# Altium PCB iono_bottom_pico.PcbDoc
Units mil, origin at the board's own origin, x right, y up, seen from the top; angles counter-clockwise.
Board outline 3937.01 x 1975 mil, 4 copper layers (Top Layer, GND, POW, Bottom Layer), stack 13.956 mil thick; 81 components, 60 nets, 221 pads, 68 vias.
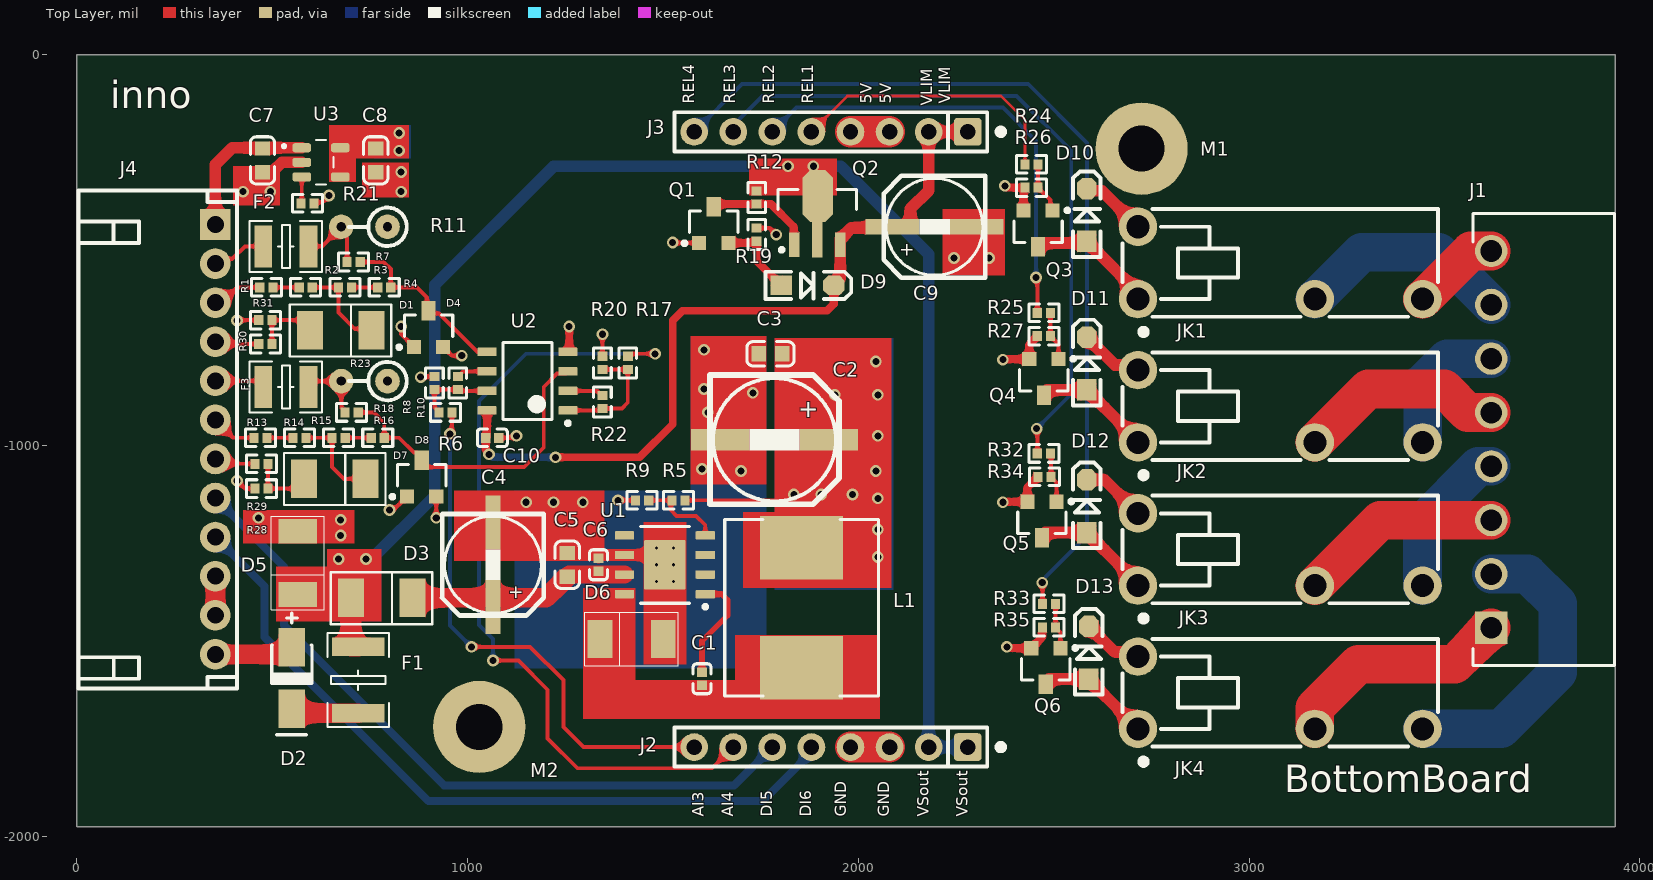
[diagram p0: Top Layer view]
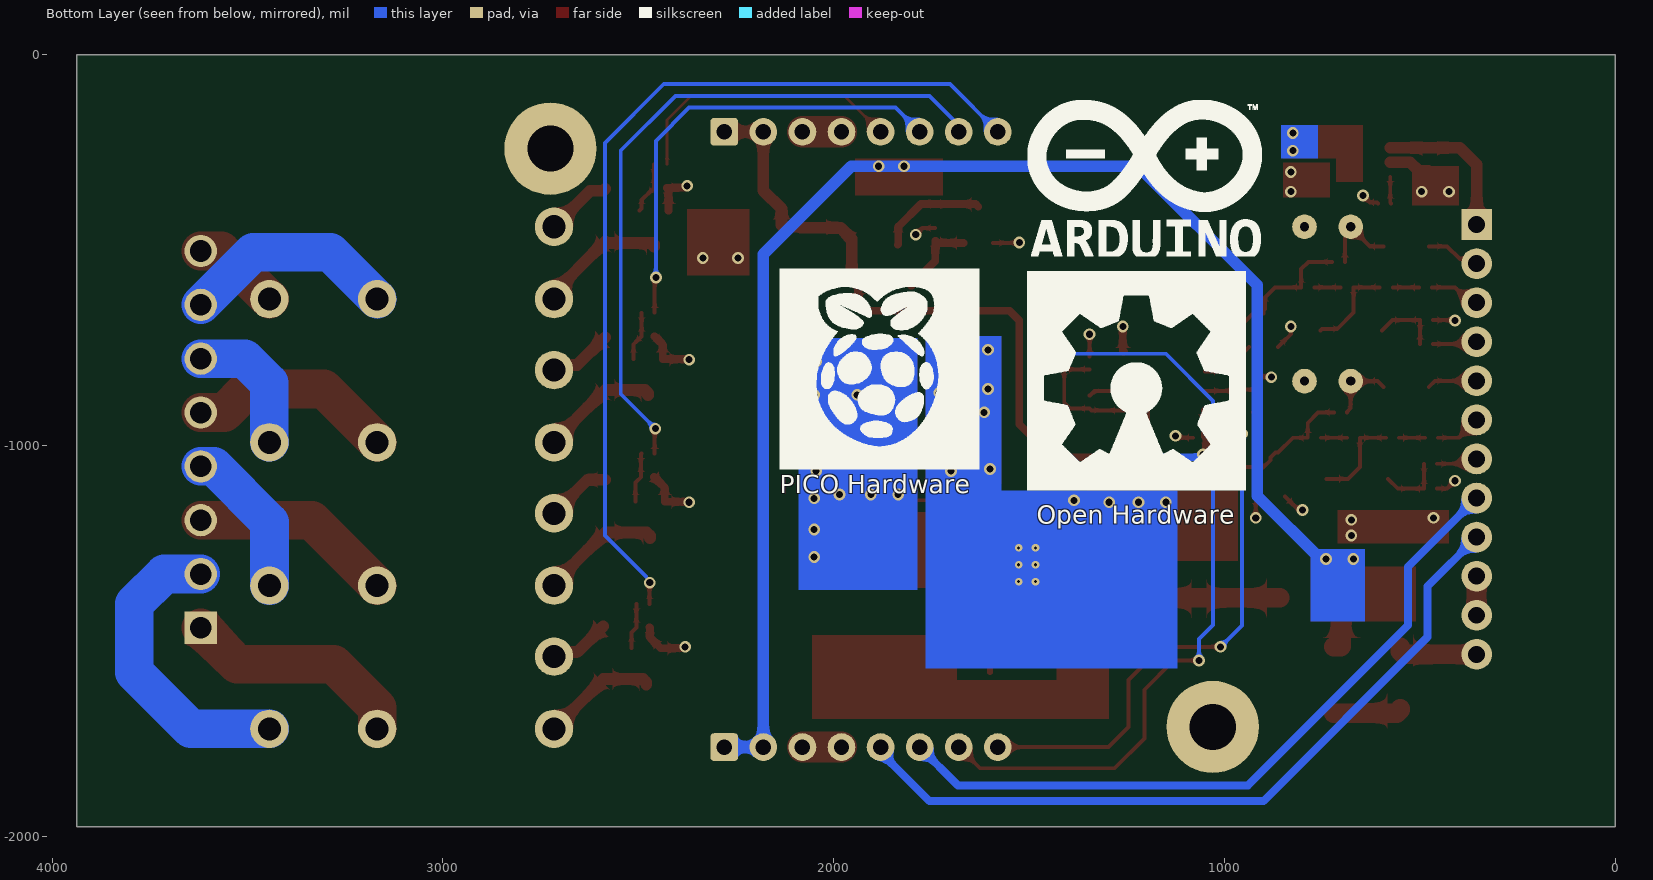
[diagram p1: Bottom Layer view, seen from below]
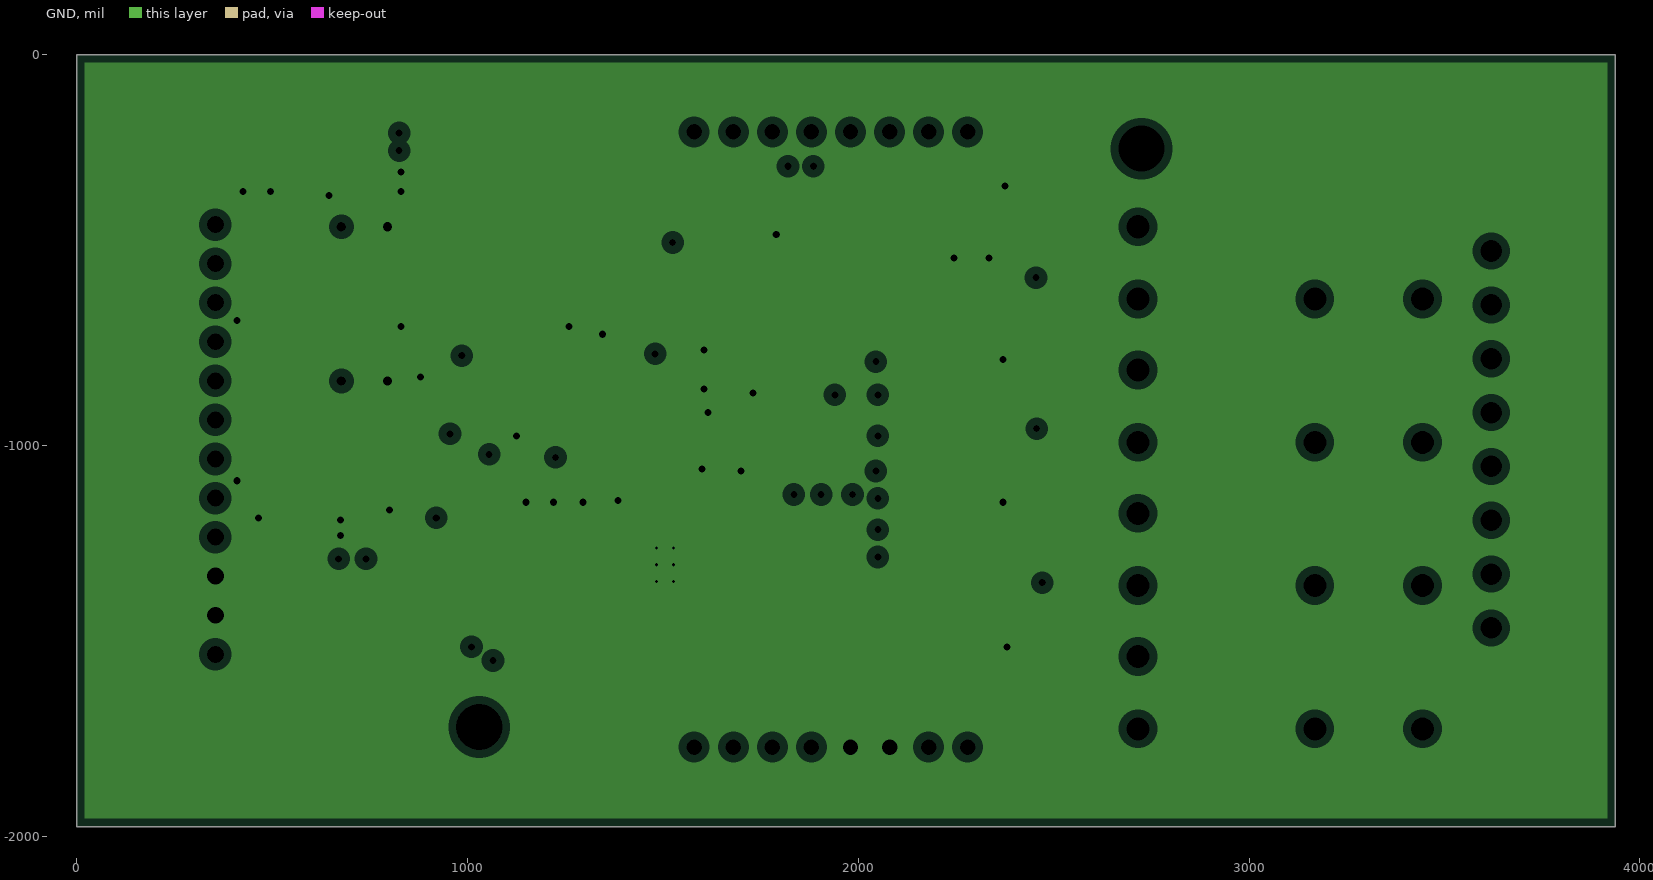
[diagram p2: GND, clearances drawn from the general rule]
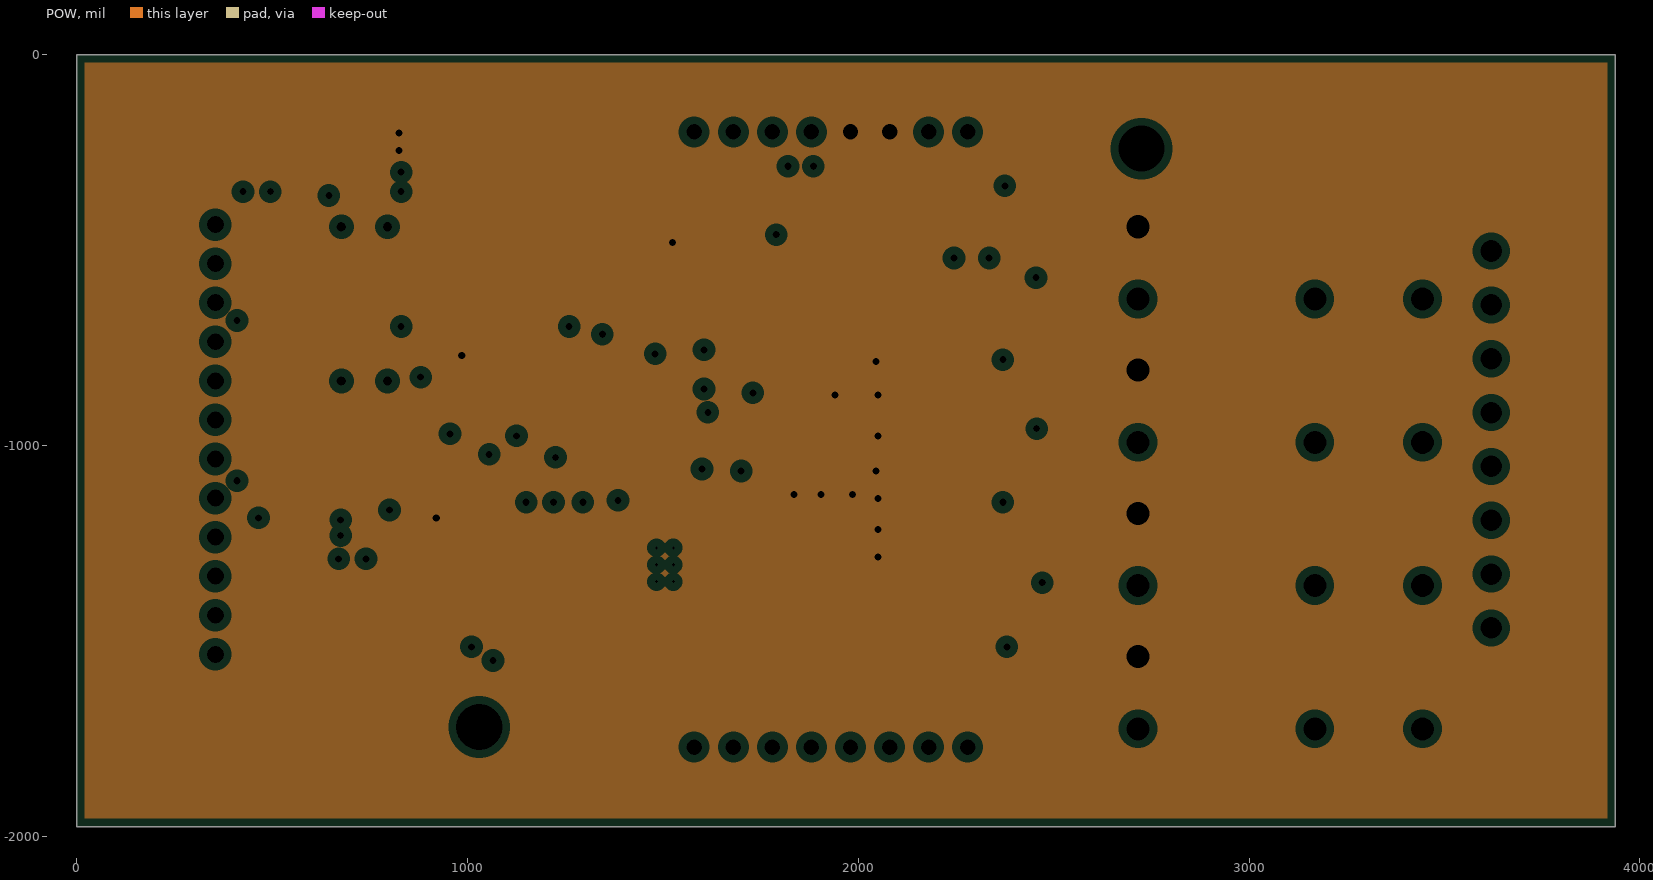
[diagram p3: POW, clearances drawn from the general rule]

## Layer stack, top to bottom
Top Solder: solder mask 0.4, Solder Resist, Dk 3.5
Top Layer: signal copper 1.4
Dielectric 4: prepreg 2.8, PP-006, Dk 4.1
GND: plane copper 1.3779, net GND
Dielectric 1: prepreg 2.8, PP-006, Dk 4.1
POW: plane copper 1.3779, net 5V
Dielectric 5: prepreg 2.8, PP-006, Dk 4.1
Bottom Layer: signal copper 1.4
Bottom Solder: solder mask 0.4, Solder Resist, Dk 3.5

## Board outline
0,-1975 0,0 3937.01,0 3937.01,-1975

## Design rules (kind name [scope] priority, off if disabled: settings)
BoardOutlineClearance [All] p1: gap=15 ignorepadtopadclearanceinfootprint=FALSE
Clearance [All] p1: gap=6 ignorepadtopadclearanceinfootprint=FALSE except(2: Arc-SMDPad Track-SMDPad SMDPad-SMDPad)
DiffPairsRouting [All] p1: maxlimit=10 minlimit=5 mostfreqgap=10 toplayer_minwidth=7 toplayer_maxwidth=15 toplayer_prefwidth=15 bottomlayer_minwidth=7 bottomlayer_maxwidth=15 bottomlayer_prefwidth=15 maxuncoupledlength=500
HoleSize [All] p1: absolutevalues=TRUE maxlimit=3000 minlimit=1 maxpercent=80.000 minpercent=20.000
PlaneClearance [All] p1: clearance=20
PlaneConnect PlaneConnect_1 [All] p1: planeconnectstyle=Relief reliefexpansion=20 reliefentries=4 reliefconductorwidth=10 reliefairgap=10
PlaneConnect PlaneConnectgnd [InNet('GND')] p2: planeconnectstyle=Direct reliefexpansion=20 reliefentries=4 reliefconductorwidth=10 reliefairgap=10
PolygonConnect [InNet('GND')] p1: connectstyle=Direct reliefconductorwidth=10 reliefentries=4 polygonreliefangle="90 Angle" airgapwidth=10
PolygonConnect PolygonConnectgnd [All] p2: connectstyle=Relief reliefconductorwidth=20 reliefentries=4 polygonreliefangle="90 Angle" airgapwidth=15
RoutingVias [All] p1: holewidth=28 width=50 viastyle="Through Hole" minholewidth=28 minwidth=50 maxholewidth=28 maxwidth=50
SolderMaskExpansion [All] p1: expansion=4
Width [All] p1: maxlimit=99 minlimit=6 preferedwidth=10 minimp=50.000000 maximp=50.000000 favimp=50.000000
26 further rules are at their usual default settings.

## Components (designator, comment, footprint, x,y, rotation, side; value= is the part's Value field where it differs from the comment)
C1 "10nF 50V" 0402_C 1600,-1596.73 r90 top
C2 "220uF 16V" SMD-EC-F8 1785,-985 r180 top
C3 "1uF 50V" 0603_C 1775.32,-765 r0 top
C4 "47uF 50V" SMD-EC-F6.3 1065,-1305 r90 top
C5 "1uF 50V" 0603_C 1255,-1305 r270 top
C6 "100nF 50V" 0402_C 1335,-1305 r270 top
C7 "10uF (106) 10% 25V" 0603_C 475,-270 r90 top
C8 "10uF (106) 10% 25V" 0603_C 765,-270 r90 top
C9 "47uF 50V" SMD-EC-F6.3 2195,-440 r0 top
C10 "100nF (104) 10% 50V" 0402_C 1063.27,-980 r0 top
D1 "S1M" DO-214AC 675,-705 r180 top
D2 "RS2MA-13-F" DIOD-SMA-1K 550,-1595 r90 top
D3 "B340A-13-F" DO-214AC 780,-1390 r180 top
D4 "BAT54S,215" SOT-23-3 900,-701.26 r270 top
D5 "SM6T33A" DO-214AA 565,-1300 r90 top
D6 "SS34-SMB(DO-214AA)" DO-214AA 1420,-1495 r0 top
D7 "S1M" DO-214AC 660,-1085 r180 top
D8 "BAT54S,215" SOT-23-3 882.4,-1083.74 r270 top
D9 "MMSZ8V2T1G" SOD-123-1A 1870,-590 r180 top
D10 "MMSZ8V2T1G" SOD-123-1A 2585,-410 r270 top
D11 "MMSZ8V2T1G" SOD-123-1A 2585,-790 r270 top
D12 "MMSZ8V2T1G" SOD-123-1A 2585,-1155 r270 top
D13 "MMSZ8V2T1G" SOD-123-1A 2590,-1530 r270 top
F1 "mSMD110-33V" 1812_R 720,-1600 r90 top
F2 "JK-SMD1210-005" 1210_R 535,-490 r0 top
F3 "JK-SMD1210-005" 1210_R 535,-850 r0 top
J1 "HDR-1x8Pos" KF2EDG3.50-8H 3753.86,-984.25 r90 top
J2 "HDR-1x8Pos" "Pin Header 1x8 TH Pitch 2.54mm" 2280,-1771.65 r180 top locked
J3 "HDR-1x8Pos" "Pin Header 1x8 TH Pitch 2.54mm" 2280,-196.85 r180 top locked
J4 "HDR-S-1x12Pos" KF2EDGK-2.54-WI-12P 354.33,-984.25 r270 top
JK1 "HF46F/5-HS1T" RELAY-TH_HF46F-5-HS1T 3080,-545 r0 top
JK2 "HF46F/5-HS1T" RELAY-TH_HF46F-5-HS1T 3080,-911.67 r0 top
JK3 "HF46F/5-HS1T" RELAY-TH_HF46F-5-HS1T 3080,-1278.33 r0 top
JK4 "HF46F/5-HS1T" RELAY-TH_HF46F-5-HS1T 3080,-1645 r0 top
L1 "MWSA1004S-220MT" MWSA1004S 1855,-1415 r90 top value=2.2uH
M1 "THHole-Param" MTG300_600 2725,-240 r0 top
M2 "THHole-Param" MTG300_600 1030,-1720 r0 top
Q1 "BC817" SOT-23-3 1630,-435 r270 top
Q2 "BCX53-16" SOT89_M 1895,-405 r0 top
Q3 "BC817" SOT-23-3 2460,-445 r90 top
Q4 "BC817" SOT-23-3 2475,-825 r90 top
Q5 "BC817" SOT-23-3 2470,-1190 r90 top
Q6 "BC817" SOT-23-3 2480,-1565 r90 top
R1 "330K ±1%" 0402_R 485,-595 r180 top
R2 "45K3 ±1%" 0402_R 585.58,-595 r180 top
R3 "47K ±1%" 0402_R 686.15,-595 r180 top
R4 "1K8 ±1%" 0402_R 786.73,-595 r180 top
R5 "10KΩ  ±1%" 0402_R 1540,-1140 r0 top
R6 "2K2±1%" 0402_R 943.27,-915 r0 top
R7 "47K ±1%" 0402_R 708.27,-530 r180 top
R8 "10K ±1%" 0402_R 915,-840 r90 top
R9 "3.24KΩ  ±1%" 0402_R 1446.73,-1140 r0 top
R10 "47K ±1%" 0402_R 975,-840 r90 top
R11 "120R ±1%" "RS 1/4W-V3" 795,-440 r180 top
R12 "10KΩ  ±1%" 0402_R 1740,-365 r270 top
R13 "330K ±1%" 0402_R 470,-980 r180 top
R14 "45K3 ±1%" 0402_R 570,-980 r180 top
R15 "47K ±1%" 0402_R 670,-980 r180 top
R16 "1K8 ±1%" 0402_R 770,-980 r180 top
R17 "2K2±1%" 0402_R 1410,-788.27 r90 top
R18 "47K ±1%" 0402_R 703.27,-915 r180 top
R19 "4K7  ±1%" 0402_R 1740,-460 r90 top
R20 "10K ±1%" 0402_R 1345,-788.27 r90 top
R21 "6K8 ±1%" 0402_R 590,-380 r180 top
R22 "47K ±1%" 0402_R 1345,-888.27 r90 top
R23 "120R ±1%" "RS 1/4W-V3" 795,-835 r180 top
R24 "4K7  ±1%" 0402_R 2443.27,-280 r0 top
R25 "4K7  ±1%" 0402_R 2475,-660 r0 top
R26 "4K7  ±1%" 0402_R 2443.27,-340 r0 top
R27 "4K7  ±1%" 0402_R 2475,-720 r0 top
R28 "3K3 ±1%" 0402_R 472.32,-1110 r0 top
R29 "1K ±1%" 0402_R 472.32,-1046.57 r0 top
R30 "1K ±1%" 0402_R 482.32,-740 r0 top
R31 "3K3 ±1%" 0402_R 482.32,-678.98 r0 top
R32 "4K7  ±1%" 0402_R 2475,-1020 r0 top
R33 "4K7  ±1%" 0402_R 2488.27,-1405 r0 top
R34 "4K7  ±1%" 0402_R 2476.73,-1080 r0 top
R35 "4K7  ±1%" 0402_R 2488.27,-1465 r0 top
U1 "TPS5430DDA" DDA0008J_L 1505,-1305 r90 top
U2 "MCP607T-I/SN" D0008A_L 1153.35,-835 r90 top
U3 "SY6280AAAC" SOT-23-5 625,-275 r0 top

## Footprints (in the part's own frame and the unit in brackets; to place one, negate y for a bottom-side part, rotate by r counter-clockwise, add the part's x,y. Pads: shape width x height; smd on the part's side, far side on the other; paste and mask are expansions set on the pad)
0402_C [mm]
  rect 0.6x0.65 smd mask+0.051: 1(-0.425,0) 2(0.425,0)
  silkscreen extent -0.97,-0.58 0.97,0.58, body extent -0.48,-0.3 0.52,0.3, height 0.2
0402_R [mm]
  rect 0.6x0.65 smd mask+0.051: 1(-0.425,0) 2(0.425,0)
  silkscreen extent -0.97,-0.58 0.97,0.58, body extent -0.57,-0.27 0.58,0.28, height 0.41
0603_C [mm]
  rect 0.93x0.98 smd: 1(-0.77,0) 2(0.77,0)
  silkscreen extent -1.53,-0.79 1.54,0.79, body extent -0.8,-0.4 0.8,0.4, height 0.3
1210_R [mm]
  rect 1.16x2.72 smd: 1(-1.475,0) 2(1.475,0)
  silkscreen extent -2.35,-1.66 2.36,1.66, body extent -1.6,-1.25 1.6,1.25, height 0.6
1812_R [mm]
  rect 1.2x3.42 smd: 1(-2.15,0) 2(2.15,0)
  silkscreen extent -3.05,-2.01 3.05,2.01, body extent -2.25,-1.6 2.25,1.6, height 0.59
D0008A_L [mm] "SOIC, 8-Leads, Body 5x4mm, Pitch 1.27mm, IPC High Density"
  rrect18% 0.55x1.25 smd: 1(-1.905,-2.625) 2(-0.635,-2.625) 3(0.635,-2.625) 4(1.905,-2.625) 5(1.905,2.625) 6(0.635,2.625) 7(-0.635,2.625) 8(-1.905,2.625)
  silkscreen extent -2.85,-2.75 2.5,1.6, body extent -2.45,-3 2.45,3, height 1.63
DDA0008J_L [mm] "SOP, 8-Leads, Body 5x4mm, Pitch 1.27mm, Thermal Pad 3.2x2.69mm, IPC High Wizard"
  rrect18% 0.55x1.25 smd: 1(-1.905,-2.625) 2(-0.635,-2.625) 3(0.635,-2.625) 4(1.905,-2.625) 5(1.905,2.625) 6(0.635,2.625) 7(-0.635,2.625) 8(-1.905,2.625)
  rrect4% 3.2x2.69 smd: 9(0,0)
  silkscreen extent -2.85,-2.75 2.5,1.6, body extent -2.45,-2.98 2.45,2.98, height 1.52
DIOD-SMA-1K [mm] "SMA, 2-Leads, Body 4.3x2.605mm, Height 2.3mm"
  rect 2.5x1.7 smd: 1(-2,0) 2(2,0)
  silkscreen extent -3.68,-1.33 4.22,1.3, body extent -2.6,-1.37 2.6,1.37, height 2.4
DO-214AA [mm]
  rect 1.6x2.5 smd mask+0.051: 1(-2.06,0) 2(2.06,0)
  silkscreen extent -3.05,-1.73 3.02,1.73, body extent -2.87,-1.65 2.87,1.65, height 2
DO-214AC [mm]
  rect 1.7x2.5 smd: 1(-2,0) 2(2,0)
  silkscreen extent -3.3,-1.68 3.3,1.7, body extent -2.85,-1.25 2.85,1.25, height 1.9
KF2EDG3.50-8H [mm]
  rect 2.1x2.1 hole 1.4: 1(-12.25,3.4)
  round 2.1 hole 1.4: 2(-8.75,3.4) 3(-5.25,3.4) 4(-1.75,3.4) 5(1.75,3.4) 6(5.25,3.4) 7(8.75,3.4) 8(12.25,3.4)
  silkscreen extent -14.7,-4.6 14.7,4.6, body extent -14.7,-4.6 14.7,4.6, height 7.3
KF2EDGK-2.54-WI-12P [mm] "长：32.38mm，宽：10.1mm，高：8.1mm"
  rect 2x2 hole 1.1: 1(-13.97,0)
  round 2 hole 1.1: 2(-11.43,0) 3(-8.89,0) 4(-6.35,0) 5(-3.81,0) 6(-1.27,0) 7(1.27,0) 8(3.81,0) 9(6.35,0) 10(8.89,0) 11(11.43,0) 12(13.97,0)
  silkscreen extent -16.19,-8.9 16.19,1.4, body extent -16.19,-8.9 16.19,1.2, height 8.15
MTG300_600 [mm] "Plated Through Hole: Hole Dia.=3.0mm Pad Dia.=6.0mm"
  round 6 hole 3: 1(0,0)
  body extent -3,-3 3,3, height 0.02
MWSA1004S [mm] "Inductor, Molded Body; 110mm L X 11.5mm W X 3.80mm H, IPC Medium Density"
  rect 4.1x5.4 smd: 1(-3.9,0) 2(3.9,0)
  silkscreen extent -5.75,-5 5.75,5, body extent -6,-5 6,5, height 4.2
"Pin Header 1x8 TH Pitch 2.54mm" [mm] "PinHeader 1x8 TH Pitch 2.54mm"
  rrect25% 1.8x1.8 hole 1: 1(0,0)
  round 1.8 hole 1: 2(2.54,0) 3(5.08,0) 4(7.62,0) 5(10.16,0) 6(12.7,0) 7(15.24,0) 8(17.78,0)
  silkscreen extent -2.3,-1.27 19.05,1.27, body extent -1.27,-1.27 19.05,1.27, height 9.5
RELAY-TH_HF46F-5-HS1T [mm]
  round 2.5 hole 1.5: 1(-9.25,-2.032) 2(2.25,-2.032) 3(9.25,-2.032) 6(-9.25,2.668)
  silkscreen extent -10.25,-4.37 10.25,3.82
"RS 1/4W-V3" [mm] "直插色环电阻，脚距3mm，直径2.3mm"
  round 1.6 hole 0.6: 1(0,0) 2(3,0)
  silkscreen extent -1.25,-1.25 2.5,1.25, body extent -1.16,-1.16 3.23,1.16, height 7.42
SMD-EC-F6.3 [mm]
  rect 3.5x1 smd: 1(-2.737,0) 2(2.737,0)
  silkscreen extent -3.3,-3.31 3.3,3.31, body extent -3.66,-3.33 3.64,3.27, height 6
SMD-EC-F8 [mm]
  rect 3.8x1.4 smd: 1(-3.525,0) 2(3.525,0)
  silkscreen extent -4.21,-4.22 4.19,4.2, body extent -4.83,-4.27 4.87,4.22, height 10.4
SOD-123-1A [mil] "2.7x1.6X1.1mm（长宽高，不包括引脚）"
  oct 55x50 smd: 1(-67.5,0)
  rect 55x50 smd: 2(67.5,0)
  silkscreen extent -112,-35 108,35, body extent -73,-31 73,31, height 48
SOT89_M [mm] "4.6x4.3x1.6mm(长宽高)"
  rect 0.7x1.6 smd: 1(-1.5,-2.054) 3(1.5,-2.054)
  rect 0.7x2.4 smd: 2(0,-1.676)
  oct 2x3.4 smd: 2(0.025,1.118)
  silkscreen extent -2.54,-2.51 2.54,1.52, body extent -2.3,-2.4 2.3,1.9, height 1.6
SOT-23-3 [mm]
  rect 0.914x0.914 smd mask+0.07: 1(1.175,-0.95) 2(1.175,0.95)
  rect 1.27x0.924 smd: 3(-1.175,0)
  silkscreen extent -0.89,-2.03 1.32,1.57, body extent -1.67,-1.55 1.68,1.55, height 1.1
SOT-23-5 [mm]
  rrect50% 1.21x0.59 smd: 1(-1.255,0.95) 2(-1.255,0) 3(-1.255,-0.95) 4(1.255,-0.95) 5(1.255,0.95)
  silkscreen extent -2.51,-1.45 0.8,1.45, body extent -1.4,-1.45 1.4,1.45, height 1.45

## Part data
C1 C6 C10: library part "0402 100nF (104) 10% 16V", "贴片电容", Package=0402, SuppliersPartNumber=C1525, ComponentLink1Description=¹©Ó, ComponentLink1URL=http://www.szlcsc.com/product/details_1877.html, Supplier=LC
C2: library part "Alu-220uF 25V-F8", "贴片铝电解电容 8x10.2mm", Package=SMD,8x10.2mm, SuppliersPartNumber=C371974, ComponentLink1Description=¹©Ó, ComponentLink1URL=https://item.szlcsc.com/430227.html, ComponentLink2Description=Datasheet, ComponentLink2URL=https://atta.szlcsc.com/upload/public/pdf/source/20191008/C433299_BF0078E27B9DA48549195598248CF336.pdf, Supplier=LC
C3 C5 C7 C8: library part "0603 10uF (106) 10% 10V", "贴片电容", Package=0603, SuppliersPartNumber=C19702, ComponentLink1Description=¹©Ó, ComponentLink1URL=http://www.szlcsc.com/product/details_20411.html, Supplier=LC
C4 C9: library part "Alu-100uF 25V", "贴片铝电解电容", Package=SMD,6.3x7.7mm, SuppliersPartNumber=C3338, ComponentLink1Description=¹©Ó, ComponentLink1URL=https://item.szlcsc.com/3729.html, ComponentLink2Description=Datasheet, ComponentLink2URL=https://atta.szlcsc.com/upload/public/pdf/source/20160816/1471342948700.pdf, Supplier=LC
D1 D7: library part B5817WS-TP, "肖特基二极管", Average Rectified Current=1A, Forward Voltage=450mV, Manufacturer=MCC, Max Forward Surge Current (Ifsm)=10A, Max Operating Temperature=125°C, Max Repetitive Reverse Voltage (Vrrm)=20V, Max Reverse Current=1mA, Package Quantity=1, Supplier Part Number 1=B5817WS-TPMSCT-ND, Category="Rectifier Diodes", ComponentLink1Description=https://datasheet.ciiva.com/912/b5817ws-b5819wssod-323-912713.pdf?src-supplier=Digi-Key, ComponentLink1URL=https://datasheet.ciiva.com/912/b5817ws-b5819wssod-323-912713.pdf?src-supplier=Digi-Key, ComponentLink2Description=https://datasheet.ciiva.com/7624/b5817ws-b5819wssod-323-7624698.pdf?src-supplier=Element14, ComponentLink2URL=https://datasheet.ciiva.com/7624/b5817ws-b5819wssod-323-7624698.pdf?src-supplier=Element14, ComponentLink3Description=https://datasheet.ciiva.com/912/b5817ws-b5819wssod-323-912711.pdf?src-supplier=Digi-Key, ComponentLink3URL=https://datasheet.ciiva.com/912/b5817ws-b5819wssod-323-912711.pdf?src-supplier=Digi-Key, ComponentLink4Description=https://datasheet.ciiva.com/912/b5817ws-b5819wssod-323-912712.pdf?src-supplier=Digi-Key, ComponentLink4URL=https://datasheet.ciiva.com/912/b5817ws-b5819wssod-323-912712.pdf?src-supplier=Digi-Key, ComponentLink5Description=https://datasheet.ciiva.com/17182/b5817ws-b5819wssod-323-17182367.pdf?src-supplier=Future+Electronics, ComponentLink5URL=https://datasheet.ciiva.com/17182/b5817ws-b5819wssod-323-17182367.pdf?src-supplier=Future+Electronics, Element Configuration=Single, Forward Current=1A, Lead Free="Lead Free", Manufacturer Part Number=B5817WS-TP, Max Reverse Voltage (DC)=20V, Mount="Surface Mount", Number of Pins=2, Packaging="Tape and Reel", Pricing 1="1=0.43000, 10=0.30300, 100=0.15310, 500=0.12486, 1000=0.09264 (USD)", REACH SVHC=Unknown, RoHS=Yes, RoHS Compliant=Yes, Stock 1=47317, Supplier 1=Digi-Key
D2: library part B230A-13-F, "B230A-13-F,SCHOTTKY RECTIFIER", Average Rectified Current=2A, Capacitance=200pF, Case/Package=SMA, Forward Voltage=500mV, Manufacturer=Diodes, Max Forward Surge Current (Ifsm)=50A, Max Operating Temperature=150°C, Max Repetitive Reverse Voltage (Vrrm)=30V, Min Operating Temperature=-65°C, Package Quantity=5000, Peak Reverse Current=500uA, Supplier Part Number 1=B230A-FDICT-ND, Category="Rectifier Diodes", ComponentLink1Description=https://datasheet.ciiva.com/27052/1538769-27052351.pdf?src-supplier=Jameco, ComponentLink1URL=https://datasheet.ciiva.com/27052/1538769-27052351.pdf?src-supplier=Jameco, ComponentLink2Description=https://datasheet.ciiva.com/16289/ds13004-16289654.pdf?src-supplier=Future+Electronics, ComponentLink2URL=https://datasheet.ciiva.com/16289/ds13004-16289654.pdf?src-supplier=Future+Electronics, ComponentLink3Description=https://datasheet.ciiva.com/8301/ds13004-8301593.pdf?src-supplier=Avnet, ComponentLink3URL=https://datasheet.ciiva.com/8301/ds13004-8301593.pdf?src-supplier=Avnet, ComponentLink4Description=https://datasheet.ciiva.com/4715/ds13004-70120-4715546.pdf?src-supplier=Mouser, ComponentLink4URL=https://datasheet.ciiva.com/4715/ds13004-70120-4715546.pdf?src-supplier=Mouser, ComponentLink5Description=https://datasheet.ciiva.com/22695/1911814-22695786.pdf?src-supplier=Element14, ComponentLink5URL=https://datasheet.ciiva.com/22695/1911814-22695786.pdf?src-supplier=Element14, Contact Plating=Tin,Matte, Current Rating=2A, Element Configuration=Single, Forward Current=2A, Height=2.1mm, Lead Free="Lead Free", Length=4.6mm, Manufacturer Part Number=B230A-13-F, Max Reverse Voltage (DC)=30V, Mount="Surface Mount", Number of Pins=2, Output Current=2A, Packaging="Tape and Reel", Peak Non-Repetitive Surge Current=50A, Polarity=Standard, Pricing 1="1=0.45000, 10=0.33900, 25=0.30560, 100=0.16110, 250=0.15944, 500=0.14276, 1000=0.11110, 2500=0.10166 (USD)", Radiation Hardening=No, REACH SVHC="No SVHC", RoHS=Yes, Stock 1=36331, Supplier 1=Digi-Key, Termination=SMD/SMT, Voltage Rating (DC)=30V, Weight=0.002258oz, Width=2.92mm
D3: library part SMAJ16A, "Transient Voltage Suppressor, 6.40 to 231 V, 16 V Stand-off Voltage, Uni-Directional, -55 to 155 degC, 2-pin DO-214AC, Pb-Free, Tape and Reel", Manufacturer="Vishay Semiconductor", Operating Junction and Storage Temperature Range="-55 to 150 degC", PartNumber=SMAJ16A-E3/61, ComponentLink1Description="Manufacturer URL", ComponentLink1URL=http://www.vishay.com/, ComponentLink2Description=Datasheet, ComponentLink2URL=http://www.vishay.com/docs/88390/smaj50a.pdf, ComponentLink3Description="Package Specification", ComponentLink3URL=http://www.vishay.com/docs/88390/smaj50a.pdf, DatasheetVersion=12/8/2013, ID (uA)=1, IFSM="40 A", Mounting Technology="Surface Mount", PackageDescription="2-Pin DO-214AC (SMA), Body 4.245 x 2.665 mm", PackageReference=DO-214AC-2, Packing="Tape and Reel", PPPM (W)="400, 300", RoHS=TRUE, VBR Uni-Directional (V)="6.4 to 231", VWM (V)=16
D4 D8: "肖特基二极管"
D5 D6: library part SS34-SMB, "3A 肖特基二极管"
D9 D10 D11 D12 D13: library part 1N4148W-7-F, "Fast Switching Diode, 100 V, 0.15 A,?-65 to 150 degC,?2-Pin?SOD123,?RoHS,?Tape and Reel", If - Forward Current=0.15A, Ir - Reverse Current=1uA, Manufacturer=DiodesIncorporated, Maximum Operating Temperature=+150C, Max Surge Current=2A, Minimum Operating Temperature=-65C, Operating Temperature Range=-65Cto+150C, Package / Case=SOD-123, Package Reference=SOD123-2, Peak Reverse Voltage=100V, Vf - Forward Voltage=1.25V, Brand=DiodesIncorporated, Configuration=Single, Datasheet URL=http://www.farnell.com/datasheets/1915529.pdf, Datasheet Version="Rev. 24-2, 10/2013", Factory Pack Quantity=3000, Height=1.25mm, Length=2.85mm, Manufacturer URL=http://www.diodes.com/, Mounting Style=SMD/SMT, Package URL=http://www.diodes.com/datasheets/ds18004.pdf, Packaging=Reel, Product=SwitchingDiodes, Product Category=Diodes-GeneralPurpose,Power,Switching, Recovery Time=4ns, RoHS=True, Series=1N4148, Type=SwitchingDiode, Unit Weight=0.000353oz, Width=1.7mm
F1 F2 F3: library part "Fuse 2A 0805", "贴片保险，自恢复"
J1 J2 J3: "2.54mm 排针"
J4: "2.54mm 排座"
JK1 JK2 JK3 JK4: "5V一组常开"
L1: "功率电感", ManufacturerPartNumber=MWSA1004S-470MT, SupplierPartNumber=C408489, Brand="SUNLORD ˳?", ComponentLink1Description=Datasheet, ComponentLink1URL=https://atta.szlcsc.com/upload/public/pdf/source/20180125/C167121_15168650534691302955.pdf, Supplier=JLC
M1 M2: library part MHole-1, "金属化可接地固定孔"
Q1 Q3 Q4 Q5 Q6: "NPN贴片三极管", Datasheet=https://item.szlcsc.com/2507.html, SuplierNumber=C2150
Q2: "PNP贴片三极管", Datasheet=https://item.szlcsc.com/2507.html, SuplierNumber=C2150
R1 R2 R3 R4 R5 R6 R7 R8 R9 R10 R11 R12 R13 R14 R15 R16 R17 R18 R19 R20 R21 R22 R23 R24 R25 R26 R27 R28 R29 R30 R31 R32 R33 R34 R35: library part "0402 1.2KΩ (1201) 1%", "贴片电阻", Package=0402, SuppliersPartNumber=C25862, ComponentLink1Description=¹©Ó, ComponentLink1URL=http://www.szlcsc.com/product/details_26605.html, Supplier=LC
U1: "5.5V to 36V Input, 3A, 500kHz Step-Down Converter 8-SO PowerPAD 0 to 0", Case/Package=SOIC, Manufacturer="Texas Instruments", Max Input Voltage=36V, Max Operating Temperature=125°C, Max Output Current=3A, Max Output Voltage=31V, Min Input Voltage=5.5V, Min Operating Temperature=-40°C, Min Output Voltage=1.22V, Package Quantity=75, Quiescent Current=3mA, Supplier Part Number 1=296-19447-5-ND, Switching Frequency=500kHz, Category="Voltage Regulators - Switching", ComponentLink1Description=https://datasheet.ciiva.com/15113/getdatasheetpartid-234473-15113424.pdf?src-supplier=Verical, ComponentLink1URL=https://datasheet.ciiva.com/15113/getdatasheetpartid-234473-15113424.pdf?src-supplier=Verical, ComponentLink2Description=https://datasheet.ciiva.com/27051/1113074-27051458.pdf?src-supplier=Jameco, ComponentLink2URL=https://datasheet.ciiva.com/27051/1113074-27051458.pdf?src-supplier=Jameco, ComponentLink3Description=https://datasheet.ciiva.com/26896/tps5430dda-26896658.pdf?src-supplier=IIIC, ComponentLink3URL=https://datasheet.ciiva.com/26896/tps5430dda-26896658.pdf?src-supplier=IIIC, ComponentLink4Description=https://datasheet.ciiva.com/26098/tps5430-26098807.pdf?src-supplier=Avnet+Europe, ComponentLink4URL=https://datasheet.ciiva.com/26098/tps5430-26098807.pdf?src-supplier=Avnet+Europe, ComponentLink5Description=https://datasheet.ciiva.com/7993/1849779-7993829.pdf?src-supplier=Element14, ComponentLink5URL=https://datasheet.ciiva.com/7993/1849779-7993829.pdf?src-supplier=Element14, ComponentLink6Description=https://datasheet.ciiva.com/2026/tps5431-2026795.pdf?src-supplier=Digi-Key, ComponentLink6URL=https://datasheet.ciiva.com/2026/tps5431-2026795.pdf?src-supplier=Digi-Key, Efficiency=95%, Height=1.55mm, Lead Free="Lead Free", Length=5mm, Manufacturer Part Number=TPS5430DDA, Mount="Surface Mount", Number of Outputs=1, Number of Pins=8, Operating Supply Voltage=36V, Output Current=3A, Output Type=Adjustable, Output Voltage=31V, Packaging=Rail/Tube, Pricing 1="1=4.62000, 10=4.14600, 25=3.91960, 100=3.22270, 250=2.89172, 500=2.78720, 1000=2.31686, 2500=2.22976 (USD)", Radiation Hardening=No, REACH SVHC="No SVHC", RoHS=Yes, Stock 1=5474, Supplier 1=Digi-Key, Synchronous Rectifier=No, Weight=0.00249oz, Width=4mm
U2: library part TI-LM358DR, "Dual Operational Amplifier, 3 to 32 V, 0 to 70 degC, 8-Pin SOIC (D), Green (RoHS & no Sb/Br), Tape and Reel", Code_JEDEC=MS-012, ComponentLink1Description="Manufacturer URL", ComponentLink1URL=http://www.ti.com/, ComponentLink2Description=Datasheet, ComponentLink2URL=http://www.ti.com/lit/ds/symlink/lm358.pdf, ComponentLink3Description="Package Specification", ComponentLink3URL=http://www.ti.com/lit/ml/msoi002j/msoi002j.pdf, DatasheetVersion="SLOS068T, 04/2015", PackageDescription="8-Pin Small Outline Integrated Circuit, Body 4.9 x 3.9 mm, Pitch 1.27 mm", PackageReference=D0008A, PackageVersion="4040047-3/M, 06/2011"
U3: "USB电子开关，电流保护"

## Via types
v1: diameter 30, hole 18, Top Layer to Bottom Layer, 62 vias
v2: diameter 19.68, hole 7.87, Top Layer to Bottom Layer, 6 vias

## Nets (pads, with @x,y where several pads share a name; then routed paths per layer and width w, separated by ;. In a path a pad name is that pad's centre, name@x,y a point inside that pad or via, vN(x,y) a via of type N, cw(c..) or ccw(c..) an arc to the next point about the centre after c; other vN are vias at no path point)
5V: C2.1 C3.2 C8.2 D4.2 D8.2 D10.1 D11.1 D12.1 D13.1 J3.3 J3.4 JK1.6 JK2.6 JK3.6 JK4.6 L1.2 Q1.1 R5.2 U3.4 U3.5 | length 1225.7
  Top Layer w10: D8.2 v1(919.8,-1184.8) v1@920,-1185 ; D4.2 959.88,-770 v1(985,-770) ; v1(1525,-480) 1526.26,-481.26 Q1.1 ; R5.2 1820,-1140 v1(1835,-1125)
  Top Layer w30: D12.1 2630.05,-1087.5 JK3.6 ; D11.1 2656.02,-793.52 2702.74,-793.52 JK2.6 ; D10.1 2590.13,-347.63 2623.51,-347.63 JK1.6 ; D13.1 2655.02,-1527.52 2703.41,-1527.52 JK4.6
  Top Layer w80: J3.4 J3.3
  other v1: 2050,-1285 2050,-1215 2050,-1135 1905,-1125 1985,-1125 2045,-1065 2050,-975 1940,-870 2050,-870 2045,-785 825,-245 825,-200
5Vout: C7.2 J4.1 U3.1 | length 392.7
  Top Layer w30: J4.1 354.33,-280.67 397.4,-237.6 U3.1
AI3: J2.8 R6.2 | length 1371.5
  Top Layer w10: v1(955,-970) 955,-964.59 960,-959.59 R6.2 ; v1(1010,-1515) 1160,-1515 1245,-1600 1245,-1720 1296.65,-1771.65 J2.8
  Bottom Layer w10: v1(955,-970) 955,-1460 v1(1010,-1515)
AI4: J2.7 R17.2 | length 2077.7
  Top Layer w10: v1(1065,-1550) 1130,-1550 1205,-1625 1205,-1750 1280.83,-1825.83 1625.83,-1825.83 J2.7 ; R17.2 1416.54,-765 v1(1480,-765)
  Bottom Layer w10: v1(1065,-1550) 1065,-1495 1029,-1459 1029,-886 1150,-765 v1(1480,-765)
COM1: J1.7 JK1.2 | length 556.9
  Bottom Layer w99: JK1.2 3288.56,-505 3485.24,-505 J1.7
COM2: J1.5 JK2.2 | length 533
  Top Layer w99: JK2.2 3305.23,-855 3500,-855 3560.35,-915.35 J1.5
COM3: J1.3 JK3.2 | length 520.7
  Top Layer w99: JK3.2 3335.95,-1190.94 J1.3
COM4: J1.1 JK4.2 | length 589.8
  Top Layer w99: JK4.2 3168.58,-1671.42 3280,-1560 3526.54,-1560 J1.1
DI3: D1.2 R30.2 R31.2 | length 169
  Top Layer w10: R30.2 R31.2 570.24,-678.98 D1.2
DI4: D7.2 R28.2 R29.2 | length 166
  Top Layer w10: R29.2 R28.2 556.26,-1110 D7.2
GND: C2.2 C3.1 C4.2 C5.1 C6.1 C7.1 C8.1 C9.2 C10.2 D4.1 D5.2 D6.2 D8.1 J2.3 J2.4 J4.10 J4.11 Q3.2 Q4.2 Q5.2 Q6.2 R8.2 R9.1 R11.1 R19.2 R20.2 R21.1 R23.1 R26.1 R27.1 R28.1 R31.1 R34.1 R35.1 U1.6 U1.9 U2.4 U3.2 | length 1631.4
  Top Layer w10: v1(410,-1090) 430,-1110 R28.1 ; v1(410,-680) 411.02,-678.98 R31.1 ; R21.1 609.42,-377.31 627.69,-377.31 v1(645,-360) ; v1(800,-1165) 800,-1175 D8.1 ; v1(830,-695) 830,-714.92 D4.1 ; v1(880,-825) 875,-825 873.27,-823.27 R8.2 ; C10.2 1120,-980 v1(1125,-975) ; R20.2 v1(1345,-715) ; v1(1385,-1140) R9.1 ; R19.2 1773.27,-443.27 v1(1790,-460)
  Top Layer w20: U2.4 1259.17,-760 1260,-759.17 v1(1260,-695) ; v1(2370,-1145) 2371.26,-1143.74 Q5.2 2432.6,-1107.4 2457.2,-1082.8 2458.19,-1082.8 2460,-1080.98 R34.1 ; v1(2370,-780) 2371.26,-778.74 Q4.2 2437.6,-740.67 2455.47,-722.8 2456.46,-722.8 2458.27,-720.98 R27.1 ; v1(2375,-335) 2380,-340 R26.1 2426.54,-340.98 2422.6,-344.92 Q3.2 ; v1(2380,-1515) 2383.74,-1518.74 Q6.2 2470.42,-1490.92 2470.42,-1466.12 R35.1
  Top Layer w30: C7.1 478.31,-297.01 502.99,-297.01 525,-275 U3.2 ; C6.1@1335,-1286.5 1341.5,-1280 U1.6 1480,-1280 U1.9
  Top Layer w50: J4.11 J4.10
  Top Layer w80: J2.4 J2.3
  other v1: 675,-1230 675,-1190 465,-1185 1150,-1145 1220,-1145 1295,-1145 1700,-1065 1600,-1060 1615,-915 1730,-865 1605,-855 1605,-755 2245,-520 2335,-520 425,-350 495,-350 830,-350 830,-300
  other v2: 1483.35,-1348.31 1526.65,-1348.31 1483.35,-1305 1526.65,-1305 1483.35,-1261.69 1526.65,-1261.69
I3: F2.1 J4.2 | length 140.9
  Top Layer w10: J4.2 367.07,-521.52 398.48,-521.52 430,-490 F2.1
I4: F3.1 J4.5 | length 129.1
  Top Layer w10: J4.5 461.18,-834.25 F3.1
KM1: D10.2 JK1.1 Q3.3 | length 332.5
  Top Layer w30: Q3.3 2460,-484.45 2463.19,-481.26 D10.2@2581.24,-481.26 ; D10.2 2585,-480 2595,-490 2597.5,-490 2715.83,-608.33 JK1.1
KM2: D11.2 JK2.1 Q4.3 | length 308.8
  Top Layer w30: Q4.3 2475,-865.69 2483.19,-857.5 D11.2 2585,-860 2600,-875 2602.5,-875 2715.83,-988.33 JK2.1
KM3: D12.2 JK3.1 Q5.3 | length 315.4
  Top Layer w30: Q5.3 2470,-1230.69 2478.19,-1222.5 D12.2 2585,-1225 2600,-1240 2602.5,-1240 2715.83,-1353.33 JK3.1
KM4: D13.2 JK4.1 Q6.3 | length 299.1
  Top Layer w30: Q6.3 2480,-1605.69 2488.19,-1597.5 D13.2 2590,-1600 2605,-1615 2605.85,-1615 JK4.1
NetC1_1: C1.1 D6.1 L1.1 U1.8
NetC1_2: C1.2 U1.1 | length 274.8
  Top Layer w15: C1.2 1600,-1500 1665,-1435 1665,-1395 1650,-1380 U1.1
NetC4_1: C4.1 C5.2 C6.2 D3.1 U1.7 | length 567.8
  Top Layer w45: C5.2 1260.32,-1330 U1.7
  Top Layer w50: D3.1 1200.32,-1390 C5.2
NetD1_1: D1.1 R2.1 R3.2 | length 234.7
  Top Layer w10: R2.1 R3.2 669.42,-659.42 711.13,-701.13 749.87,-701.13 D1.1
NetD2_1: D2.1 F1.1 | length 175.9
  Top Layer w50: D2.1 550,-1676.18 558.46,-1684.65 F1.1
NetD4_3: D4.3 R4.1 R7.1 U2.5 | length 469.1
  Top Layer w10: R7.1 785,-530 803.46,-548.46 R4.1 870,-595 895.86,-620.86 895.86,-650.86 D4.3 900,-661.81 926.81,-661.81 1025,-760 U2.5
NetD7_1: D7.1 R14.1 R15.2 | length 239.4
  Top Layer w10: R14.1 R15.2 653.27,-1055 683.27,-1085 D7.1
NetD8_3: D8.3 R16.1 R18.1 U2.3 | length 813.4
  Top Layer w10: R18.1 760,-915 786.73,-941.73 R16.1 824.92,-980 862.4,-1017.48 869.21,-1017.48 882.4,-1030.67 D8.3 899.92,-1055 1145,-1055 1195,-1005 1195,-850 1229.17,-815.83 1250.87,-815.83 U2.3
NetD9_2: D9.2 Q1.2 R19.1 | length 215.1
  Top Layer w20: Q1.2 1734.49,-481.26 1739.02,-476.73 R19.1 1740,-527.5 1785,-572.5 1785,-575 1800,-590 D9.2
NetF2_2: F2.2 R7.2 R11.2 | length 200.6
  Top Layer w10: F2.2 626.89,-490 R11.2 676.89,-454.34 691.54,-468.99 R7.2
NetF3_2: F3.2 R18.2 R23.2 | length 174
  Top Layer w10: F3.2 608.07,-835 R23.2 676.89,-904.37 686.54,-914.02 R18.2
NetJ4_4: J4.4 R30.1 | length 113.6
  Top Layer w10: J4.4 360.08,-740 R30.1
NetJ4_7: J4.7 R29.1 | length 106.4
  Top Layer w10: J4.7 366.65,-1046.57 R29.1
NetQ1_3: Q1.3 Q2.1 R12.2 | length 278.3
  Top Layer w20: Q1.3 1637.01,-381.73 R12.2 1776.73,-381.73 1834.56,-439.56 1834.56,-484.49 Q2.1
NetQ3_1: Q3.1 R24.2 R26.2 | length 134.8
  Top Layer w10: R24.2 R26.2 2460,-340.98 2466.81,-347.8 2467.8,-347.8 2491.61,-371.61 2491.61,-392.94 Q3.1
NetQ4_1: Q4.1 R25.2 R27.2 | length 127.9
  Top Layer w10: R25.2 R27.2 2491.73,-720.98 2498.54,-727.8 2499.53,-727.8 2512.4,-740.67 Q4.1
NetQ5_1: Q5.1 R32.2 R34.2 | length 130.8
  Top Layer w10: R32.2 2493.46,-1021.73 R34.2 2493.46,-1080.98 2500.28,-1087.8 2501.26,-1087.8 2507.4,-1093.94 Q5.1
NetQ6_1: Q6.1 R33.2 R35.2 | length 118.9
  Top Layer w10: R33.2 R35.2 2505,-1465.98 2517.4,-1478.39 Q6.1
NetR1_1: R1.1 R2.2 | length 67.1
  Top Layer w10: R1.1 R2.2
NetR3_1: R3.1 R4.2 | length 67.1
  Top Layer w10: R3.1 R4.2
NetR5_1: R5.1 R9.2 U1.4 | length 217
  Top Layer w10: R9.2 R5.1 1520,-1143.27 1520,-1165 1535,-1180 1585,-1180 1608.35,-1203.35 U1.4
NetR6_1: R6.1 R8.1 R10.1 U2.7 | length 199.4
  Top Layer w10: R6.1 926.54,-914.02 915,-902.48 R8.1 R10.1 978.27,-860 U2.7
NetR10_2: R10.2 U2.6 | length 80.8
  Top Layer w10: R10.2 975.98,-823.27 982.8,-816.46 982.8,-815.86 988.65,-810 U2.6
NetR13_1: R13.1 R14.2 | length 66.5
  Top Layer w10: R13.1 R14.2
NetR15_1: R15.1 R16.2 | length 66.5
  Top Layer w10: R15.1 R16.2
NetR17_1: R17.1 R20.1 R22.1 U2.1 | length 311.6
  Top Layer w10: U2.1 1340,-910 R22.1 1395,-905 1410,-890 R17.1 R20.1
NetR21_2: R21.2 U3.3 | length 68.6
  Top Layer w10: R21.2 575.59,-377.68 U3.3
NetR22_2: R22.2 U2.2 | length 93.1
  Top Layer w10: U2.2 1332.48,-860 1344.02,-871.54 R22.2
NO1: J1.8 JK1.3 | length 226.8
  Top Layer w99: JK1.3 3567.18,-501.97 J1.8
NO2: J1.6 JK2.3 | length 352.9
  Bottom Layer w99: JK2.3 3445,-990.82 3445,-840 3507.44,-777.56 J1.6
NO3: J1.4 JK3.3 | length 397.4
  Bottom Layer w99: JK3.3 3444.17,-1195.83 3586.85,-1053.15 J1.4
NO4: J1.2 JK4.3 | length 782.5
  Bottom Layer w99: JK4.3 3645.02,-1724.98 3790,-1580 3790,-1405 3713.74,-1328.74 J1.2
REL1: J3.5 R24.1 | length 723.5
  Top Layer w7: J3.5 1971.85,-105 2365,-105 2426.54,-166.54 R24.1
REL2: J3.6 R25.1 | length 1177.2
  Top Layer w10: v1(2455,-570) 2458.27,-573.27 R25.1
  Bottom Layer w10: J3.6 1841.85,-135 2370,-135 2455,-220 v1(2455,-570)
REL3: J3.7 R32.1 | length 1785.5
  Top Layer w10: v1@2455,-955 v1(2456.63,-956.63) 2458.27,-958.27 R32.1
  Bottom Layer w10: J3.7 1680,-180.38 1697.24,-163.14 1697.24,-162.76 1755,-105 2405,-105 2545,-245 2545,-868.27 v1(2456.63,-956.63)
REL4: J3.8 R33.1 | length 2326.7
  Top Layer w10: v1@2470,-1350 2471.54,-1351.54 R33.1
  Bottom Layer w10: J3.8 1701.85,-75 2435,-75 2585,-225 2585,-1230 2480,-1335
  other v1: 2470.77,-1350.77
RP_DI5: J2.6 J4.8 | length 1859.1
  Bottom Layer w20: J4.8 530,-1309.92 530,-1460 940,-1870 1681.65,-1870 J2.6
RP_DI6: J2.5 J4.9 | length 1946.9
  Bottom Layer w20: J4.9 480,-1359.92 480,-1490 900,-1910 1755,-1910 1880,-1785 J2.5
V3: J4.3 R1.2 | length 130.2
  Top Layer w10: J4.3 370.75,-634.25 410,-595 R1.2
V4: J4.6 R13.2 | length 117.9
  Top Layer w10: J4.6 400.08,-980 R13.2
VCC: D2.2 J4.12 | length 208.7
  Top Layer w50: J4.12 541.54,-1534.25 550,-1525.79 D2.2
VLIM: C9.1 C10.1 D9.1 J3.1 J3.2 Q2.3 U2.8 | length 2046.3
  Top Layer w10: C10.1 C10.1@1050,-976.54
  Top Layer w20: C10.1 1046.54,-1011.54 1055,-1020 v1(1055,-1022.5) ; C10.1@1050,-976.54 U2.8 ; v1(1225,-1030) 1440,-1030 1525,-945 1525,-680 1550,-655 1920,-655 1937.5,-637.5 D9.1
  Top Layer w30: D9.1 1937.5,-588.79 1954.06,-572.23 Q2.3 1954.06,-470.6 1982.19,-442.46 2084.77,-442.46 C9.1 2128.65,-440 2133.34,-435.31 2133.34,-393.89 2180,-347.23 J3.2 J3.1
  Bottom Layer w20: v1(1055,-1022.5) 1057.71,-1022.5 1065.21,-1030 v1(1225,-1030)
Vs_out: D3.2 D5.1 F1.2 J2.1 J2.2 Q2.2 R12.1 | length 3766.4
  Top Layer w50: D3.2 701.26,-1513.98 702.64,-1515.35 F1.2
  Bottom Layer w30: v1@747.5,-1297.5 916,-1129 916,-589 1220,-285 v1(1820,-285) v1(1885,-285) 1955,-285 2180,-510 J2.2 J2.1
  other v1: 670,-1290 740,-1290
pads on no net: M1.1 M2.1 U1.2 U1.3 U1.5

## Polygon pours and split planes (outlines as drawn)
GND on GND (split plane): 3916.91,-1954.9 20.1,-1954.9 20.1,-20.1 3916.91,-20.1
5V on POW (split plane): 3916.91,-1954.9 20.1,-1954.9 20.1,-20.1 3916.91,-20.1

## Other copper
Top Layer:
  rectangle net GND: 425,-1250 710,-1165
  rectangle net Vs_out: 510,-1450 745,-1310
  rectangle net GND: 2215,-565 2375,-395
  rectangle net Vs_out: 1720,-360 1945,-265
  rectangle net Vs_out: 640,-1450 780,-1265
  rectangle net GND: 730,-365 850,-275
  rectangle net 5V: 645,-265 850,-180
  rectangle net 5V: 645,-325 715,-195
  rectangle net GND: 400,-385 520,-285
  rectangle net GND: 1570,-1100 1765,-720
  rectangle net 5V: 1785,-1045 2085,-725
  rectangle net 5V: 1705,-1365 2020,-1170
  rectangle net 5V: 1785,-1365 2085,-950
  rectangle net NetC1_1: 1685,-1700 2055,-1485
  rectangle net NetC1_1: 1295,-1700 2055,-1600
  rectangle net NetC1_1: 1295,-1665 1430,-1365
  rectangle net GND: 1450,-1560 1560,-1195
  rectangle net GND: 965,-1295 1350,-1115
Bottom Layer:
  rectangle net Vs_out: 640,-1450 780,-1265
  rectangle net GND: 1120,-1570 1765,-1115
  rectangle net GND: 1570,-1160 1765,-720
  rectangle net 5V: 1785,-1370 2090,-725
  rectangle net 5V: 760,-265 855,-180

## Silkscreen, mask and mechanical layers (free items; w line width, h text height)
Top Overlay:
  text "REL4" at 1590,-125 h50 r90
  text "REL3" at 1695,-125 h50 r90
  text "REL2" at 1795,-125 h50 r90
  text "REL1" at 1895,-125 h50 r90
  text "5V" at 2045,-125 h50 r90
  text "5V" at 2095,-125 h50 r90
  text "VLIM" at 2245,-125 h50 r90
  text "VLIM" at 2200,-130 h50 r90
  text "inno" at 85,-160 h120
  text "BottomBoard" at 3090,-1910 h120
  text "DI5" at 1790,-1950 h50 r90
  text "DI6" at 1890,-1950 h50 r90
  text "GND" at 1980,-1950 h50 r90
  text "GND" at 2090,-1950 h50 r90
  text "VSout" at 2190,-1950 h50 r90
  text "VSout" at 2290,-1950 h50 r90
  text "AI3" at 1615,-1950.05 h50 r90
  text "AI4" at 1690,-1950.05 h50 r90
Bottom Overlay:
  drawing of 7841 lines, arcs and shapes, not listed
  text "PICO Hardware" at 2138.33,-1137 h80
  text "Open Hardware" at 1480,-1215 h80
Mechanical 1:
  lines w50: 0,-1975 0,0 395,0 750,0 3185,0 3540,0 3937.01,0 3937.01,-1975 3540,-1975 3185,-1975 750,-1975 395,-1975 0,-1975

## Text inside footprints (layer, text, board x,y; h text height)
C2: Top Overlay "+" at 1898.58,-874.07 h78.74 r180; Top Assembly "+" at 1898.18,-874.06 h78.74 r180
C4: Top Overlay "+" at 1150.18,-1395.83 h59.06 r90; Top Assembly "+" at 1150.18,-1395.83 h59.06 r90
C9: Top Overlay "+" at 2104.17,-525.18 h59.06; Top Assembly "+" at 2104.17,-525.18 h59.06